# KiCad board SBC.kicad_pcb (continued)
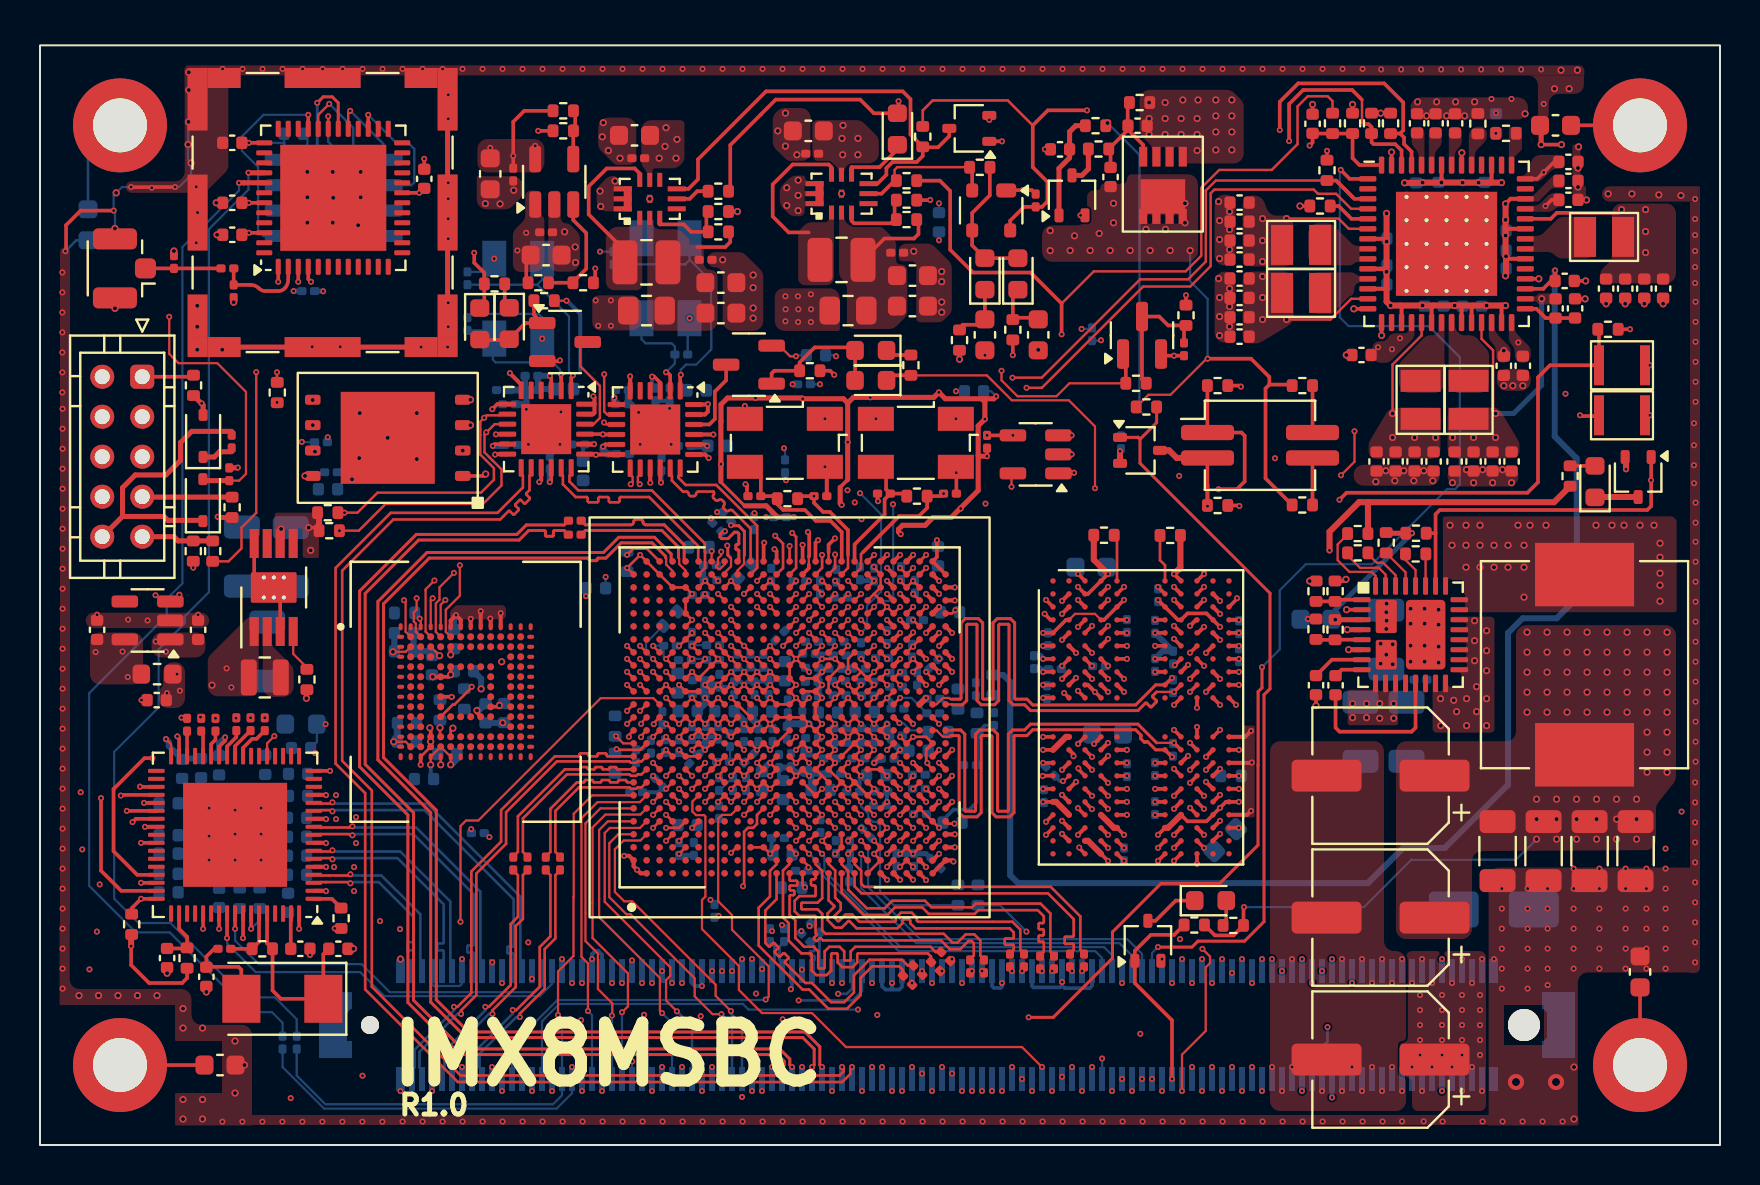
[diagram p0: board, top side]
## Routing (per net, layer and track width the routed paths; a pad name or vN(x,y) marks a point on that pad's centre or on a via; arc(x,y) is an arc through that point) (continued)
  IN4 w0.12: 29.7,28.04 29.44,27.78 26.1,27.78 25.95,27.64 25.9,27.64 25.78,27.76 25.73,27.76 25.52,27.56 25.52,27.51 25.83,27.2 25.83,27.15 25.62,26.95 25.57,26.95 25.27,27.25 25.22,27.25 25.01,27.05 25.01,27 25.32,26.7 25.32,26.64 25.11,26.44 25.06,26.44 24.76,26.74 24.71,26.74 24.5,26.54 24.5,26.49 24.81,26.19 24.81,26.14 24.6,25.93 24.55,25.93 24.25,26.24 24.2,26.24 24,26.03 24,25.98 24.3,25.68 24.3,25.63 24.09,25.42 24.04,25.42 23.74,25.73 23.69,25.73 23.49,25.52 23.49,25.47 23.79,25.17 23.79,25.12 23.59,24.91 23.53,24.91 23.23,25.22 23.18,25.22 22.98,25.01 22.98,24.96 23.1,24.84 23.1,24.79 21.71,23.39 21.71,23.01 21.62,22.92 v1(21.59,22.92)
  IN4 w0.13: v1(39.1,29.51) 39.09,29.5 36.86,29.5 36.85,29.49 36.12,29.49 35.5,28.88 30.54,28.88 29.7,28.04
SD1_STROBE: length 28.8
  T w0.13: v1(39.75,29.54) 39.75,28.86 U9.T24
  T w0.18: U13.H5 20.65,22.42 20.64,22.41 v1(20.58,22.41)
  IN4 w0.12: v1(20.58,22.41) 20.58,22.41 22.12,22.41 22.38,22.68 22.38,22.77 23.36,23.75 23.41,23.75 23.52,23.64 23.57,23.64 23.78,23.85 23.78,23.9 23.52,24.17 23.52,24.22 23.73,24.43 23.78,24.43 24.04,24.16 24.09,24.16 24.3,24.37 24.3,24.43 24.04,24.69 24.04,24.74 24.25,24.95 24.3,24.95 24.56,24.69 24.62,24.69 24.83,24.9 24.83,24.95 24.56,25.21 24.56,25.26 24.77,25.47 24.82,25.47 25.09,25.21 25.14,25.21 25.35,25.42 25.35,25.47 25.09,25.74 25.09,25.79 25.3,26 25.35,26 25.61,25.73 25.66,25.73 25.87,25.94 25.87,26 25.61,26.26 25.61,26.31 25.82,26.52 25.87,26.52 26.13,26.26 26.19,26.26 26.39,26.47 26.39,26.52 26.13,26.78 26.13,26.83 26.34,27.04 26.39,27.04 26.5,26.94 26.55,26.94 26.76,27.15 29.29,27.15 30.67,28.53
  IN4 w0.13: v1(39.75,29.54) 39.43,29.21 36.66,29.21 35.98,28.53 30.67,28.53
SD2_CLK: length 56.5
  T w0.13: U9.L22 v1(35.85,27.56)
  IN2 w0.11: v1(35.85,27.56) 36.18,27.24 36.18,26.82 35.98,26.62 35.97,26.62 35.3,25.95 35.1,25.95 34.85,25.71 34.85,25.49 34.62,25.26 34.43,25.26 34.2,25.03 34.2,24.84 33.98,24.62 33.79,24.62 33.56,24.39 33.56,24.16 31.98,22.58 31.98,21.75 31.6,21.38 31.6,16.45 32.75,15.3 33.35,15.3 35.03,13.62 35.4,13.62 36.15,12.87 36.94,12.87 37.83,11.98 38.72,11.98 42.3,8.4 42.3,7.98 45.12,5.16 56.06,5.16 56.12,5.22 56.12,5.3 56.18,5.36 56.66,5.36 56.72,5.3 56.72,5.22 56.78,5.16 57.26,5.16 57.32,5.22 57.32,5.3 57.38,5.36 57.86,5.36 57.92,5.3 57.92,5.22 57.98,5.16 58.46,5.16 58.52,5.22 58.52,5.3 58.58,5.36 59.06,5.36 59.12,5.3 59.12,5.22 59.18,5.16 59.66,5.16 59.72,5.22 59.72,5.3 59.78,5.36 60.26,5.36 60.32,5.3 60.32,5.22 60.38,5.16 61.86,5.16 64.44,7.75 64.44,8.91 64.05,9.3 v1(63.1,9.3)
SD2_CMD: length 56.5
  T w0.13: U9.M22 v1(36.5,27.56)
  IN2 w0.11: v1(62.1,8.7) 63.67,8.7 63.92,8.45 63.92,7.98 62.39,6.45 60.8,6.45 60.76,6.5 60.76,6.57 60.71,6.62 60.32,6.62 60.28,6.57 60.28,6.33 60.23,6.28 59.84,6.28 59.8,6.33 59.8,6.57 59.75,6.62 59.36,6.62 59.32,6.57 59.32,6.33 59.27,6.28 58.88,6.28 58.84,6.33 58.84,6.57 58.79,6.62 58.4,6.62 58.36,6.57 58.36,6.33 58.31,6.28 57.92,6.28 57.88,6.33 57.88,6.57 57.83,6.62 57.44,6.62 57.4,6.57 57.4,6.33 57.35,6.28 56.96,6.28 56.92,6.33 56.92,6.57 56.87,6.62 56.48,6.62 56.44,6.57 56.44,6.33 56.39,6.28 56,6.28 55.96,6.33 55.96,6.57 55.91,6.62 55.52,6.62 55.48,6.57 55.48,6.33 55.43,6.28 55.04,6.28 55,6.33 55,6.57 54.95,6.62 54.56,6.62 54.52,6.57 54.52,6.33 54.47,6.28 54.08,6.28 54.04,6.33 54.04,6.57 53.99,6.62 53.6,6.62 53.56,6.57 53.56,6.33 53.51,6.28 53.12,6.28 53.08,6.33 53.08,6.57 53.03,6.62 52.64,6.62 52.6,6.57 52.6,6.33 52.55,6.28 52.16,6.28 52.12,6.33 52.12,6.4 52.07,6.45 51.3,6.45 51.07,6.68 45.43,6.68 43.9,8.21 43.9,8.22 43.72,8.4 43.71,8.4 42.73,9.38 42.29,9.38 39.29,12.38 39.06,12.38 39.06,12.38 37.99,12.38 37.99,12.38 37.7,12.68 37.7,12.68 37.19,13.18 36.97,13.4 36.97,13.4 36.81,13.56 36.6,13.56 34.75,15.41 34.58,15.41 32.9,17.09 32.9,22.43 33.13,22.66 33.32,22.66 33.55,22.89 33.55,23.08 34.43,23.96 34.63,23.96 34.85,24.18 34.85,24.38 35.08,24.61 35.27,24.61 35.5,24.84 35.5,25.46 36.8,26.76 36.8,27.27 v1(36.5,27.56)
SD2_D0: length 56.5
  T w0.13: U9.N22 v1(37.8,27.56)
  IN2 w0.11: v1(37.8,27.56) 37.8,27.43 35.92,25.55 35.92,24.88 35.55,24.51 35.55,24.24 35.33,24.02 35.08,24.02 34.91,23.85 34.91,23.59 34.64,23.31 34.43,23.31 34.2,23.08 34.2,22.89 33.97,22.66 33.78,22.66 33.55,22.43 33.55,17.1 34.7,15.95 34.71,15.95 36.91,13.75 37.05,13.6 37.06,13.6 37.27,13.38 37.28,13.38 37.9,12.76 37.9,12.76 38.07,12.58 38.08,12.58 39.15,12.58 39.15,12.58 39.51,12.58 42.34,9.75 43.61,9.75 45.4,7.96 45.4,7.56 45.98,6.98 46.36,6.98 46.41,7.02 46.41,7.45 46.45,7.49 46.8,7.49 46.85,7.45 46.85,7.02 46.89,6.98 47.24,6.98 47.29,7.02 47.29,7.45 47.33,7.49 47.68,7.49 47.73,7.45 47.73,7.02 47.77,6.98 48.12,6.98 48.17,7.02 48.17,7.45 48.21,7.49 48.56,7.49 48.61,7.45 48.61,7.02 48.65,6.98 49,6.98 49.05,7.02 49.05,7.45 49.09,7.49 49.44,7.49 49.49,7.45 49.49,7.02 49.53,6.98 49.88,6.98 49.93,7.02 49.93,7.45 49.97,7.49 50.32,7.49 50.37,7.45 50.37,7.02 50.41,6.98 50.76,6.98 50.81,7.02 50.81,7.45 50.85,7.49 51.2,7.49 51.25,7.45 51.25,7.02 51.29,6.98 51.64,6.98 51.69,7.02 51.69,7.45 51.73,7.49 52.08,7.49 52.13,7.45 52.13,7.02 52.17,6.98 52.52,6.98 52.57,7.02 52.57,7.45 52.61,7.49 52.96,7.49 53.01,7.45 53.01,7.02 53.05,6.98 62.01,6.98 62.31,7.29 62.31,7.34 62.13,7.52 62.13,7.57 62.33,7.78 62.38,7.78 62.56,7.59 62.62,7.59 62.82,7.79 62.82,7.85 62.63,8.03 62.63,8.08 62.84,8.28 62.89,8.28 63.07,8.1 v1(63.6,8.1)
SD2_D1: length 56.5
  T w0.13: U9.N21 v1(37.8,26.91)
  IN2 w0.11: v1(37.8,26.91) 37.73,26.91 36.19,25.37 36.19,24.43 36.15,24.39 36.15,24.19 35.98,24.02 35.73,24.02 35.56,23.85 35.56,23.6 35.27,23.31 35.08,23.31 34.85,23.08 34.85,22.89 34.62,22.67 34.44,22.67 34.26,22.49 34.26,17.04 35.13,16.17 35.32,16.17 36.8,14.69 36.8,14.44 38.05,13.19 39.44,13.19 42.68,9.95 44.38,9.95 45.82,8.52 46.21,8.52 46.93,7.8 47.2,7.8 47.25,7.86 47.25,8.4 47.3,8.45 47.71,8.45 47.76,8.4 47.76,7.86 47.81,7.8 48.78,7.8 48.83,7.86 48.83,8.35 48.88,8.4 49.29,8.4 49.34,8.35 49.34,7.86 49.39,7.8 49.8,7.8 49.85,7.86 49.85,8.35 49.9,8.4 50.31,8.4 50.36,8.35 50.36,7.86 50.41,7.8 51.38,7.8 51.43,7.86 51.43,8.35 51.48,8.4 51.89,8.4 51.94,8.35 51.94,7.86 51.99,7.8 53.19,7.8 53.69,7.3 61.01,7.3 61.59,7.89 61.59,8.88 62.7,9.99 63.09,9.99 63.15,10.05 63.15,10.55 63.21,10.61 63.69,10.61 63.75,10.55 63.75,10.05 63.81,9.99 65.03,9.99 65.44,9.58 65.44,8.26 v1(65.6,8.1)
SD2_D2: length 56.5
  T w0.13: U9.P22 v1(38.45,27.56)
  IN2 w0.11: v1(38.45,27.56) 38.16,27.27 38.16,26.85 37.87,26.56 37.68,26.56 37.51,26.39 37.51,26.21 36.8,25.5 36.8,24.18 36.64,24.02 36.38,24.02 36.21,23.85 36.21,23.54 35.98,23.31 35.69,23.31 35.5,23.13 35.5,22.89 35.33,22.72 35.09,22.72 34.91,22.53 34.91,17.69 35.14,17.46 35.33,17.46 35.52,17.26 35.52,16.25 37,14.78 37,14.55 38.16,13.39 39.62,13.39 42.54,10.47 45.75,10.47 46.92,9.3 47.44,9.3 47.47,9.27 47.47,8.96 47.5,8.93 47.76,8.93 47.79,8.96 47.79,9.27 47.82,9.3 48.08,9.3 48.11,9.27 48.11,9.01 48.14,8.98 48.4,8.98 48.43,9.01 48.43,9.27 48.46,9.3 48.72,9.3 48.75,9.27 48.75,9.06 48.78,9.03 49.04,9.03 49.07,9.06 49.07,9.27 49.1,9.3 49.36,9.3 49.39,9.27 49.39,8.96 49.42,8.93 49.68,8.93 49.71,8.96 49.71,9.27 49.74,9.3 50,9.3 50.03,9.27 50.03,9.11 50.06,9.08 50.32,9.08 50.35,9.11 50.35,9.27 50.38,9.3 50.64,9.3 50.67,9.27 50.67,9.06 50.7,9.03 50.96,9.03 50.99,9.06 50.99,9.27 51.02,9.3 51.28,9.3 51.31,9.27 51.31,9.11 51.34,9.08 51.6,9.08 51.63,9.11 51.63,9.27 51.66,9.3 52.08,9.3 53.32,8.06 53.36,8.06 53.46,8.16 53.51,8.16 53.7,7.97 53.7,7.92 53.6,7.82 53.6,7.78 53.88,7.5 54.61,7.5 54.64,7.53 54.64,8.12 54.68,8.15 54.95,8.15 54.98,8.12 54.98,7.53 55.02,7.5 55.29,7.5 55.32,7.53 55.32,8.12 55.36,8.15 55.63,8.15 55.66,8.12 55.66,7.53 55.7,7.5 56.36,7.5 56.39,7.53 56.39,7.72 56.43,7.75 56.7,7.75 56.73,7.72 56.73,7.53 56.77,7.5 57.04,7.5 57.07,7.53 57.07,7.82 57.11,7.85 57.38,7.85 57.41,7.82 57.41,7.53 57.45,7.5 57.72,7.5 57.75,7.53 57.75,7.82 57.79,7.85 58.06,7.85 58.09,7.82 58.09,7.53 58.13,7.5 58.4,7.5 58.43,7.53 58.43,7.72 58.47,7.75 58.74,7.75 58.77,7.72 58.77,7.53 58.81,7.5 59.08,7.5 59.11,7.53 59.11,7.97 59.15,8 59.42,8 59.45,7.97 59.45,7.53 59.49,7.5 59.76,7.5 59.79,7.53 59.79,7.97 59.83,8 60.1,8 60.13,7.97 60.13,7.53 60.17,7.5 60.85,7.5 61,7.65 61,8.88 60.98,8.9 60.45,8.9 60.38,8.83 60.38,8.33 v1(60.6,8.1)
SD2_D3: length 56.5
  T w0.13: U9.P21 v1(38.45,26.91)
  IN2 w0.11: v1(61.6,9.3) 61.6,9.8 60.91,10.49 60.91,10.56 62.06,11.7 62.06,11.77 61.77,12.05 61.7,12.05 60.56,10.91 60.49,10.91 60.21,11.19 59.87,11.19 59.76,11.08 59.76,10.11 60.4,9.47 60.4,9.13 59.97,8.7 59.97,8.37 59.85,8.25 59.05,8.25 58.9,8.4 arc(58.86,8.42) 58.85,8.45 58.85,8.75 arc(58.83,8.79) 58.79,8.8 58.57,8.8 arc(58.53,8.79) 58.52,8.75 58.52,8.45 arc(58.5,8.42) 58.46,8.4 58.24,8.4 arc(58.2,8.42) 58.19,8.45 58.19,8.7 arc(58.17,8.74) 58.13,8.75 57.91,8.75 arc(57.87,8.74) 57.86,8.7 57.86,8.45 arc(57.84,8.42) 57.8,8.4 57.58,8.4 arc(57.54,8.42) 57.53,8.45 57.53,8.7 arc(57.51,8.74) 57.47,8.75 57.25,8.75 arc(57.21,8.74) 57.2,8.7 57.2,8.45 arc(57.18,8.42) 57.14,8.4 56.92,8.4 arc(56.88,8.42) 56.87,8.45 56.87,8.7 arc(56.85,8.74) 56.81,8.75 56.59,8.75 arc(56.55,8.74) 56.54,8.7 56.54,8.45 arc(56.52,8.42) 56.48,8.4 56.26,8.4 arc(56.22,8.42) 56.21,8.45 56.21,8.7 arc(56.19,8.74) 56.15,8.75 55.93,8.75 arc(55.89,8.74) 55.88,8.7 55.88,8.45 arc(55.86,8.42) 55.82,8.4 55.6,8.4 arc(55.56,8.42) 55.55,8.45 55.55,8.7 arc(55.53,8.74) 55.49,8.75 55.27,8.75 arc(55.23,8.74) 55.22,8.7 55.22,8.45 arc(55.2,8.42) 55.16,8.4 54.94,8.4 arc(54.9,8.42) 54.89,8.45 54.89,8.7 arc(54.87,8.74) 54.83,8.75 54.61,8.75 arc(54.57,8.74) 54.56,8.7 54.56,8.45 arc(54.54,8.42) 54.5,8.4 54.28,8.4 arc(54.24,8.42) 54.23,8.45 54.23,8.7 arc(54.21,8.74) 54.17,8.75 53.95,8.75 arc(53.91,8.74) 53.9,8.7 53.9,8.45 arc(53.88,8.42) 53.84,8.4 53.51,8.4 52.31,9.6 47.22,9.6 45.98,10.84 42.62,10.84 39.87,13.59 38.3,13.59 37.2,14.69 37.2,14.86 37.2,15.05 36.15,16.1 36.15,17.29 35.98,17.46 35.79,17.46 35.5,17.75 35.5,20.32 arc(35.52,20.36) 35.55,20.38 35.85,20.38 arc(35.89,20.39) 35.91,20.43 35.91,20.67 arc(35.89,20.71) 35.85,20.73 35.55,20.73 arc(35.52,20.74) 35.5,20.78 35.5,21.42 arc(35.52,21.46) 35.55,21.48 35.85,21.48 arc(35.89,21.49) 35.91,21.53 35.91,21.77 arc(35.89,21.81) 35.85,21.83 35.55,21.83 arc(35.52,21.84) 35.5,21.88 35.5,22.45 35.71,22.66 35.98,22.66 36.15,22.83 36.15,23.13 36.39,23.37 36.63,23.37 37.1,23.84 37.1,24.43 37.45,24.78 37.45,25.68 37.68,25.91 37.89,25.91 38.15,26.18 38.15,26.38 38.45,26.69 v1(38.45,26.91)
SD2_nCD: length 56.5
  T w0.13: U9.L21 v1(35.85,26.91)
  IN2 w0.11: v1(64.6,9.3) 64.67,9.23 64.67,7.57 61.97,4.87 58.06,4.87 58,4.81 58,4.53 57.94,4.47 57.46,4.47 57.4,4.53 57.4,4.81 57.34,4.87 56.86,4.87 56.8,4.81 56.8,4.43 56.74,4.37 56.26,4.37 56.2,4.43 56.2,4.81 56.14,4.87 45.12,4.87 41.93,8.06 41.93,8.34 38.49,11.77 37.75,11.77 36.94,12.58 35.93,12.58 35.28,13.24 34.97,13.24 33.29,14.93 32.7,14.93 31.41,16.22 31.18,16.22 30.98,16.42 30.98,21.28 31.65,21.95 31.65,23.13 32.48,23.96 32.67,23.96 32.9,24.19 32.9,24.38 33.78,25.26 33.98,25.26 34.21,25.49 34.21,25.7 34.42,25.91 34.63,25.91 35.64,26.91 v1(35.85,26.91)
SD2_nRST: length 56.5
  T w0.13: U9.R22 v1(39.1,26.91)
  IN2 w0.11: v1(39.1,26.91) 38.81,26.62 38.81,26.2 38.52,25.91 38.33,25.91 38.1,25.68 38.1,24.8 37.91,24.61 37.68,24.61 37.48,24.4 37.48,23.85 36.81,23.19 36.81,22.94 36.85,22.9 37.4,22.9 37.44,22.86 37.44,22.55 37.4,22.51 36.85,22.51 36.81,22.47 36.81,22.16 36.85,22.12 37.4,22.12 37.44,22.08 37.44,21.77 37.4,21.73 36.62,21.73 36.58,21.69 36.58,21.38 36.62,21.34 37.4,21.34 37.44,21.3 37.44,20.99 37.4,20.95 36.85,20.95 36.81,20.91 36.81,20.6 36.77,20.56 36.22,20.56 36.18,20.52 36.18,20.21 36.22,20.17 37.4,20.17 37.44,20.13 37.44,19.82 37.4,19.78 36.85,19.78 36.81,19.74 36.81,19.43 36.85,19.39 37.4,19.39 37.44,19.35 37.44,19.04 37.4,19 36.85,19 36.81,18.96 36.81,18.65 36.85,18.61 37.25,18.61 37.29,18.57 37.29,18.26 37.25,18.22 36.85,18.22 36.81,18.18 36.81,17.87 36.85,17.83 37.25,17.83 37.29,17.79 37.29,17.48 37.25,17.44 36.85,17.44 36.81,17.4 36.81,17.09 36.85,17.05 37.25,17.05 37.29,17.01 37.29,16.7 37.25,16.66 36.85,16.66 36.81,16.62 36.81,15.89 37.5,15.2 37.51,15.2 37.51,15.05 37.7,14.86 37.93,14.86 38.15,14.64 38.15,14.45 38.4,14.2 38.6,14.2 38.85,13.95 40,13.95 42.76,11.19 46.06,11.19 47.35,9.9 52.92,9.9 53.82,9 58.5,9 58.57,9.07 58.57,9.89 58.23,10.23 57.73,10.23 57.3,10.66 57.3,10.99 57.39,11.08 57.74,11.08 57.78,11.12 57.78,11.61 57.81,11.64 58.09,11.64 58.13,11.61 58.13,11.12 58.16,11.08 58.44,11.08 58.48,11.12 58.48,11.61 58.51,11.64 58.79,11.64 58.83,11.61 58.83,11.12 58.86,11.08 58.94,11.08 59.14,10.88 59.14,10.01 59.85,9.3 v1(60.1,9.3)
SD2_WP: length 56.5
  T w0.13: U9.M21 v1(36.5,26.91)
  IN2 w0.11: v1(36.5,26.91) 36.5,26.8 34.85,25.14 34.85,24.84 34.64,24.63 34.45,24.63 34.2,24.38 34.2,24.15 33.98,23.93 33.75,23.93 32.25,22.43 32.25,17.2 34.41,15.05 34.6,15.05 36.44,13.2 36.89,13.2 37.11,12.98 37.11,12.98 37.91,12.18 38.98,12.18 45.29,5.87 45.55,5.87 45.61,5.93 45.61,6.25 45.67,6.31 46.13,6.31 46.19,6.25 46.19,5.49 46.25,5.43 46.71,5.43 46.77,5.49 46.77,6.25 46.83,6.31 47.29,6.31 47.35,6.25 47.35,5.49 47.41,5.43 47.87,5.43 47.93,5.49 47.93,6.25 47.99,6.31 48.45,6.31 48.51,6.25 48.51,5.49 48.57,5.43 49.03,5.43 49.09,5.49 49.09,6.01 49.15,6.07 49.61,6.07 49.67,6.01 49.67,5.49 49.73,5.44 50.19,5.44 50.25,5.49 50.25,5.81 50.31,5.87 60.56,5.87 60.73,6.04 62.38,6.04 64.21,7.88 64.21,8.59 v1(64.1,8.7)
SPI1_MISO: length 16.3
  T w0.11: U9.B4 30.02,15.23 29.18,15.23 28.74,14.79 28.74,12.66 29.21,12.19 29.61,12.19 33.78,8.02 33.78,7.46 v1(34.54,6.7)
  B w0.13: v1(34.54,6.7) 34.54,6.56 35.1,6.01 J1.B35
SPI1_MOSI: length 16.1
  T w0.11: U9.A4 28.91,15.54 28.46,15.1 28.46,12.4 29.32,11.54 29.53,11.54 32.73,8.34 32.73,7.44 33.63,6.54 v1(34.07,6.54)
  B w0.13: J1.B34 34.6,6.02 v1(34.07,6.54)
SPI1_SCLK: length 15.4
  T w0.13: U9.D5 v1(31.3,16.51)
  IN4 w0.11: v1(31.3,16.51) 31.6,16.22 31.6,15.74 31.41,15.55 31.16,15.55 30.89,15.28 30.89,10.54 32.43,8.99 32.43,6.6 33.6,5.43 v1(33.6,3.9)
  B w0.13: v1(33.6,3.9) J1.B32
SPI1_SSO: length 13.5
  T w0.13: U9.D4 v1(31.3,15.21)
  IN4 w0.11: v1(31.3,15.21) 31.3,10.55 32.73,9.12 32.73,7.41 34.1,6.04 v1(34.1,3.9)
  B w0.13: v1(34.1,3.9) J1.B33
SPI2_MISO: length 16.6
  T w0.11: v1(31.84,6.69) 31.3,7.23 31.3,8.26 31.51,8.47 31.51,8.89 28.24,12.16 28.24,15.6 28.49,15.86 30,15.86 U9.B5
  B w0.13: v1(31.84,6.69) 32.6,5.93 J1.B30
SPI2_MOSI: length 14.8
  T w0.13: U9.E5 31.95,15.86 v1(31.3,15.86)
  IN4 w0.11: v1(32.1,3.9) 29.74,6.26 29.74,8.63 30.35,9.24 30.35,15.05 31.17,15.86 v1(31.3,15.86)
SPI2_SCLK: length 14.4
  T w0.13: U9.C5 v1(30.65,15.86)
  IN4 w0.11: v1(31.1,3.9) 29.42,5.58 29.42,8.82 29.16,9.08 29.16,13.54 30,14.38 30,15.21 v1(30.65,15.86)
  B w0.11: v1(31.1,3.9) J1.B27
SPI2_SSO: length 15.9
  T w0.11: U9.A5 28.39,16.19 27.96,15.76 27.96,11.39 30.99,8.36 30.99,6.71 v1(31.11,6.6)
  B w0.11: v1(31.11,6.6) 31.6,6.1 J1.B28
SYS_NRST: length 68.1
  T w0.18: 77.91,36.46 77.04,36.46 v1(77,36.5) ; v1(48.64,39.51) 48.64,40.18
  IN2 w0.1: v1(64.38,5.9) 65.95,7.47 65.95,8.72 65.79,8.87 65.79,11.51 62.49,14.81 62.49,29.08 65.8,32.38 65.8,33.8 66.5,34.5
  IN2 w0.11: v1(48.64,39.51) 48.74,39.41 51.99,39.41 53.9,37.5 56.5,37.5 58.5,35.5 65.5,35.5 66.5,34.5 75,34.5 v1(77,36.5)
  B w0.13: J1.B92 63.6,4.4 64.38,5.18 v1(64.38,5.9)
UART1_RXD: length 33.2
  T w0.13: U9.C7 v1(30.65,17.16)
  IN4 w0.11: v1(30.65,17.16) 25.8,12.31 25.8,7.6 26.6,6.8 v1(26.6,3.9)
  B w0.11: J1.B18 26.6,2.59 25.83,1.82 14.2,1.82 12.13,3.9 12.13,4.71
UART1_TXD: length 33.2
  T w0.11: U9.A7 27.61,17.49 26.69,16.57 26.69,12.43 26.68,12.42 26.68,9.46 25.9,8.68 v1(25.9,6.5)
  B w0.11: 12.84,4.71 12.84,3.47 14.27,2.04 25.65,2.04 26.1,2.49 J1.B17 26.1,6.3 25.9,6.5 25.9,6.5 v1(25.9,6.5)
UART2_RXD: length 16.5
  T w0.11: U9.B6 30.02,16.53 28.27,16.53 27.63,15.88 27.63,10.36 29.4,8.59 29.4,6.93 v1(29.1,6.64)
  B w0.11: v1(29.1,6.64) 29.1,6.64 J1.B23
UART2_TXD: length 16.4
  T w0.13: U9.D6 v1(31.3,17.16)
  IN4 w0.11: v1(31.3,17.16) 30.95,16.81 30.95,16.35 30.76,16.16 30.53,16.16 29.71,15.34 29.71,14.55 28.18,13.03 28.18,5.61 v1(29.61,4.19)
  B w0.11: v1(29.61,4.18) 29.62,4.17 29.62,4.07 29.6,4.05 J1.B24
UART3_RXD: length 16.1
  T w0.11: v1(28.59,6.48) 28.59,6.52 28.61,6.54 28.61,7.09 27.9,7.8 27.9,9.58 27.27,10.2 27.27,16.09 28.02,16.84 U9.A6
  B w0.11: v1(28.59,6.48) 28.59,6.4 28.6,6.39 J1.B22
UART3_TXD: length 17
  T w0.11: U9.B7 29.99,17.15 27.88,17.15 27.07,16.35 27.07,9.41 27.4,9.09 v1(27.4,6.7)
  B w0.11: v1(27.4,6.7) 27.6,6.5 J1.B20
UART4_RXD: length 33.7
  T w0.13: U9.C6 v1(30.65,16.51)
  IN4 w0.11: v1(30.65,16.51) 30.58,16.51 27.13,13.06 27.13,8.6 27.82,7.9 27.82,5.56 30.38,3 33.8,3 34.69,2.11 46.01,2.11 v1(46.6,2.7)
UART4_TXD: length 27.3
  T w0.13: U9.D7 v1(31.95,17.16)
  IN4 w0.11: v1(47.1,2.7) 47.1,2.79 46.86,3.03 36.91,3.03 36.12,3.82 36.12,5.61 33.06,8.66 33.06,9.24 31.66,10.64 31.66,15.45 31.82,15.62 31.82,17.04 v1(31.95,17.16)
USB1_DN: length 19.8
  T w0.13: U9.B14 v1(30,21.71)
  IN2 w0.12: v1(30,21.71) 29.72,21.43 29.5,21.43 29.47,21.4 29.2,21.4 29.17,21.43 27.93,21.43 27.37,20.87 27.37,15.72 32.63,10.46 34.86,10.46 35.49,9.83 35.49,9.41 v1(35.6,9.3)
USB1_DP: length 19.8
  T w0.13: U9.A14 v1(29.35,21.71)
  IN2 w0.12: v1(29.35,21.71) 29.06,21.71 29.02,21.75 29.02,21.8 28.99,21.84 28.76,21.84 28.72,21.8 28.72,21.75 28.69,21.71 28.46,21.71 28.42,21.75 28.42,21.8 28.39,21.84 28.16,21.84 28.12,21.8 28.12,21.75 28.09,21.71 27.81,21.71 27.09,20.99 27.09,15.6 32.52,10.18 34.74,10.18 35.21,9.71 35.21,9.41 v1(35.1,9.3)
USB1_ID1: length 41.6
  T w0.11: v1(21.02,11.17) 21.02,15.95 21.3,16.23 21.91,16.23 28.03,22.35 30.67,22.35 U9.C14
  IN2 w0.11: v1(37.93,7.23) 37.61,6.91 35.29,6.91 34.9,7.3 23.35,7.3 22.06,8.59 22.06,9.13 21.02,10.17 v1(21.02,11.17)
  B w0.13: J1.A47 41.1,7.7 40.63,7.23 v1(37.93,7.23)
USB1_OC: length 12
  T w0.13: U9.K6 v1(35.2,16.51)
  IN4 w0.11: v1(35.2,16.51) 35.2,14.17 34.83,13.8 34.83,12 36.57,10.26 37.15,10.26 38.18,9.23 38.97,9.23 v1(40.1,8.1)
USB1_PWR_EN: length 12.7
  T w0.13: v1(35.85,17.16) U9.L7
  IN4 w0.11: v1(35.85,17.16) 35.85,13.25 37.77,11.33 37.77,10.5 38.43,9.84 39.46,9.84 41.2,8.1 v1(41.6,8.1)
USB1_RX_N: length 1.5
  B w0.13: 38.98,10.6 38.98,9.28 39.1,9.15
USB1_RX_P: length 1.5
  B w0.13: C93.2 38.73,9.92 38.73,9.73 38.69,9.7 38.53,9.7 38.49,9.66 38.49,9.5 38.53,9.47 38.69,9.47 38.73,9.43 38.73,9.28 38.6,9.15
USB1_TX_N: length 1.1
  B w0.13: 37.2,10.15 36.98,9.93 36.98,9.28 37.1,9.15
USB1_TX_P: length 1.1
  B w0.13: 36.6,9.15 36.73,9.28 36.73,9.93 36.5,10.15
USB1_VBUS: length 24.1
  T w0.13: U9.D14 v1(31.3,22.36)
  IN2 w0.11: v1(39.9,7.57) 40.06,7.57 40.48,7.99 40.48,9.36 38.31,11.54 37.7,11.54 37.29,11.95 36.91,12.33 35.23,12.33 33.63,13.93 32.18,13.93 30.36,15.74 30.36,21.41 31.3,22.35 v1(31.3,22.36)
  B w0.13: v1(39.9,7.57) 40.34,7.57 40.6,7.82 J1.A46
USB2_DN: length 23.1
  T w0.13: U9.B10 30.08,19.19 29.88,19.19 29.81,19.12 29.55,19.12 29.48,19.19 25.85,19.19 23.3,16.65 23.3,15.07 21.82,13.58 21.82,7.5 21.05,6.73 v1(21.05,6.56)
  B w0.13: v1(21.05,6.56) 20.87,6.56 18.98,4.66 18.98,3.88 19.1,3.75
USB2_DP: length 23.1
  T w0.13: U9.A10 28.37,19.44 28.33,19.48 28.33,19.55 28.28,19.59 27.92,19.59 27.88,19.55 27.88,19.48 27.83,19.44 27.47,19.44 27.43,19.48 27.43,19.55 27.38,19.59 27.02,19.59 26.98,19.55 26.98,19.48 26.93,19.44 25.74,19.44 23.05,16.75 23.05,15.17 21.57,13.68 21.57,7.6 20.87,6.91 v1(20.7,6.91)
  B w0.13: v1(20.7,6.91) 20.7,6.73 18.73,4.76 18.73,3.88 18.6,3.75
USB2_ID1: length 18.4
  T w0.13: U9.C9 v1(30.65,19.11)
  IN4 w0.13: v1(30.65,19.11) 30.3,18.76 30.3,18.46 25.09,13.25 25.09,6.69 24.1,5.7 v1(24.1,3.9)
USB2_OC: length 26.7
  T w0.11: v1(36.28,7.28) 36.43,7.43 36.43,8.94 34.6,10.77 34.6,11.5 33.91,12.19 33.91,16.32 34.1,16.51 34.55,16.51 34.88,16.84
  B w0.11: v1(36.28,7.28) 36.21,7.28 36.19,7.26 25.87,7.26 23.6,4.98 J1.B12
USB2_PWR_EN: length 33
  T w0.11: U9.K7 v1(35.2,17.16)
  IN4 w0.11: v1(35.2,17.16) 35.5,16.87 35.5,13.13 37.45,11.18 37.45,10.43 38.27,9.61 39.3,9.61 40.9,8.01 v1(40.9,6.78)
  B w0.11: J1.B15 25.1,6.19 25.96,7.06 35.14,7.06 35.43,6.78 v1(40.9,6.78)
USB2_RX_N: length 11.8
  T w0.13: v1(23.99,6.4) 23.99,6.57 25.23,7.82 25.23,9.8 25.77,10.33 25.77,13.5 26,13.73
  B w0.13: 22.1,3.75 21.98,3.88 21.98,4.56 23.81,6.4 v1(23.99,6.4)
USB2_RX_P: length 11.8
  T w0.13: v1(23.64,6.75) 23.81,6.75 24.98,7.92 24.98,9.9 25.52,10.44 25.52,13.5 25.29,13.73
  B w0.13: v1(23.64,6.75) 23.64,6.57 21.73,4.66 21.73,3.88 21.6,3.75
USB2_TX_N: length 11.8
  T w0.13: 24.37,13.73 24.14,13.5 24.14,11.31 23.78,10.95 23.78,7.9 22.62,6.73 v1(22.62,6.56)
  B w0.13: 20.6,3.75 20.48,3.88 20.48,4.59 22.44,6.56 v1(22.62,6.56)
USB2_TX_P: length 11.8
  T w0.13: 23.66,13.73 23.89,13.5 23.89,11.41 23.53,11.05 23.53,8 22.44,6.91 v1(22.27,6.91)
  B w0.13: 20.1,3.75 20.23,3.88 20.23,4.69 22.27,6.73 v1(22.27,6.91)
USB2_VBUS: length 19
  T w0.13: U9.D9 v1(31.3,18.46)
  IN4 w0.11: v1(24.6,2.7) 24.6,5.4 25.4,6.2 25.4,12.56 v1(31.3,18.46)
Net-(C17-Pad2): length 8
  T w0.18: U2.13 68.78,20.87 68.58,20.67 64.98,20.67 64.78,20.87 C17.2
Net-(C57-Pad2): length 5
  T w0.18: Q2.4 55.16,50.02 54.4,50.78 ; 54.4,50.78 R18.1 ; 54.38,52.14 54.38,51 ; C64.2 53.53,49.73
Net-(C288-Pad1): length 3.5
  T w0.18: C288.1 H1.1
Net-(C289-Pad1): length 4.2
  T w0.18: C289.1 H2.1
Net-(C290-Pad1): length 2.6
  B w0.13: C290.1 2.4,49.4
Net-(C291-Pad1): length 3.9
  T w0.18: C291.1 80,4
Net-(C328-Pad1): length 4.3
  T w0.18: 8.71,9.81 8.32,9.42 C328.1 ; Y5.2 10.07,8.76 9.92,8.91 8.34,8.91
Net-(D2-K): length 3
  T w0.18: U7.7 40.58,48.91 41.98,48.91 42.87,49.8
Net-(D3-K): length 2.3
  T w0.18: 48.64,42.53 48.64,41.38 49.83,41.38
Net-(D4-K): length 2.6
  T w0.18: C82.2 D4.1 ; 46.98,41.03 46.15,41.03 45.97,40.86
Net-(D5-A): length 1.2
  T w0.18: R76.2 77.75,33.97
Net-(D5-K): length 2.1
  T w0.3: Q5.3 77.77,32.41
Net-(D6-A): length 1.1
  T w0.18: D6.2 59.31,11.14
Net-(D6-K): length 2.8
  T w0.18: D6.1 56.78,12.23 55.77,11.22 Q6.3
Net-(D7-A): length 6.8
  T w0.18: D7.2 D8.2 ; 40.6,39.89 38.73,39.89 37.98,39.14 R85.2 36.71,38.73 36.58,38.59 Q8.1
Net-(D9-K): length 14.1
  T w0.25: 4.12,31.44 6.2,31.44 6.39,31.24 8.11,31.24 ; 4.12,31.44 4.12,32.88 4.76,33.52 6.29,33.52 7.02,34.25 7.02,35.14 7.58,35.7 9.58,35.7 ; 4.12,31.44 J2.10
Net-(D10-K): length 1.5
  T w0.25: D10.1 8.71,34.42 8.97,34.68 9.58,34.68
Net-(D11-A): length 4.7
  T w0.18: D11.2 24.27,41.11 Q9.1 24.7,41.53 R95.2 ; 23.46,40.26 22.01,40.26
Net-(J2-Pin_1): length 2.5
  T w0.18: 7.64,38.43 J2.1
Net-(J2-Pin_7): length 4.5
  T w0.25: R92.2 5.13,32.41
Net-(J2-Pin_9): length 3.6
  T w0.25: R94.2 R93.2 6.91,30.22 6.69,30.43 J2.9
Net-(J3-In): length 3.8
  T w0.18: J3.1 C314.1 L10.2
Net-(L6-Pad1):
  vias: v2(68.53,26.82) v2(68.53,26.07) v2(68.53,24.97) v2(68.53,24.17) v2(69.23,26.82) v2(69.23,26.07) v2(69.23,24.97) v2(69.23,24.17) v2(69.93,26.77) v2(69.93,26.02) v2(69.93,24.92) v2(69.93,24.12) v2(70.5,31) v2(70.6,30) v2(71.3,31) v2(71.3,30) v2(71.3,28.9) v2(72,31) v2(72,30) v2(72,28.9) v2(72.7,30) v2(72.7,28.9) v2(73.4,30) v2(73.4,28.9) v2(73.9,31) v2(74.2,30) v2(74.2,28.9) v2(74.2,27.4) v2(74.5,31) v2(75.3,31) v2(77.8,31) v2(78.6,31) v2(79.2,31) v2(80,31) v2(80.7,31) v2(81,30.1) v2(81,29.4) v2(81,28.6) v2(81,28) v2(81,27.2)
Net-(L8-Pad1): length 7.3
  T w0.18: U5.9 29.99,48.59 29.73,48.85 28.33,48.85 27.43,47.95 27.43,46.55 29.25,44.73
Net-(L9-Pad1): length 7.5
  T w0.18: U7.9 39.58,48.9 39.43,49.05 37.63,49.05 36.63,48.05 36.63,46.45 37.43,45.65 38.43,45.65
Net-(Q1-D): length 1.9
  T w0.25: Q1.3 52.1,48.5 52.42,48.82 52.42,49.82
Net-(Q1-G): length 5.3
  T w0.25: R17.2 51.78,50.98 51.48,50.68 C58.1 51.48,49.38 50.95,48.85 Q1.1
Net-(R6-Pad1): length 2.4
  T w0.11: U2.30 67.78,28.5 67.15,29.13 66.83,29.13 66.4,29.56
Net-(R8-Pad2): length 1.8
  T w0.11: U2.28 68.78,28.76 68.27,29.26 R8.2
Net-(R79-Pad2): length 2.3
  T w0.18: R79.2 63.63,35.64
Net-(R81-Pad2): length 2.3
  T w0.18: SW3.3 63.63,32.02
Net-(U1B-VHALF): length 2.7
  T w0.18: U1.29 74.82,41.82 75.29,41.36 C18.2 76.75,41.36
Net-(U1C-ICTEST): length 2.1
  T w0.18: U1.5 65.58,46.32 64.93,46.97 R12.2
Net-(U2-BST): length 1.4
  T w0.18: U2.8 65.08,23.77 C17.1
Net-(U2-EN/PSV): length 2.1
  T w0.11: R7.2 68.28,28.65 U2.29
Net-(U2-ENL): length 4.2
  T w0.11: U2.32 66.78,28.47 66.58,28.67 65.47,28.67 64.88,29.25 64.88,30.04 65.38,30.54
Net-(U2-FB): length 2.2
  T w0.18: R4.1 R3.1 ; U2.1 64.84,27.27
Net-(U2-FBL): length 2.3
  T w0.18: R1.1 63.83,25.26 ; U2.5 64.76,25.27
Net-(U2-ILIM): length 1.6
  T w0.11: U2.27 69.28,29.55
Net-(U2-SS): length 2.6
  T w0.18: C1.1 64.59,24.27 U2.7
Net-(U2-TON): length 2.9
  T w0.11: 65.38,29.49 66,28.87 66.94,28.87 67.28,28.53 U2.31
Net-(U4-ADJ): length 2.3
  T w0.18: U4.4 26.66,50.63 ; 26.76,50.73 26.76,51.73
Net-(U4-EN): length 5.5
  T w0.18: 26.56,43.13 25.51,43.13 ; U4.3 26.66,46.26 27.31,45.61 27.31,43.83 26.61,43.13
Net-(U5-EN): length 1.6
  T w0.18: 33.32,47.71 32.86,47.71 32.48,47.33 U5.5
Net-(U5-FB): length 3.8
  T w0.18: 33.32,46.69 33.32,45.67 32.55,45.67 32.18,46.05 30.99,46.05 U5.3
Net-(U5-OUT): length 2.3
  T w0.18: 34.51,45.67 34.51,45.17 34.26,44.91 32.86,44.91
Net-(U6-VSET): length 2.1
  T w0.11: U6.4 12.66,24.57 13.35,23.88
